# Altium PCB balanceCar.PcbDoc
Units mm, origin at the board's own origin, x right, y up, seen from the top; angles counter-clockwise.
Board outline 99 x 60 mm, 2 copper layers (Top Layer, Bottom Layer); 15 components, 26 nets, 121 pads, 10 vias.
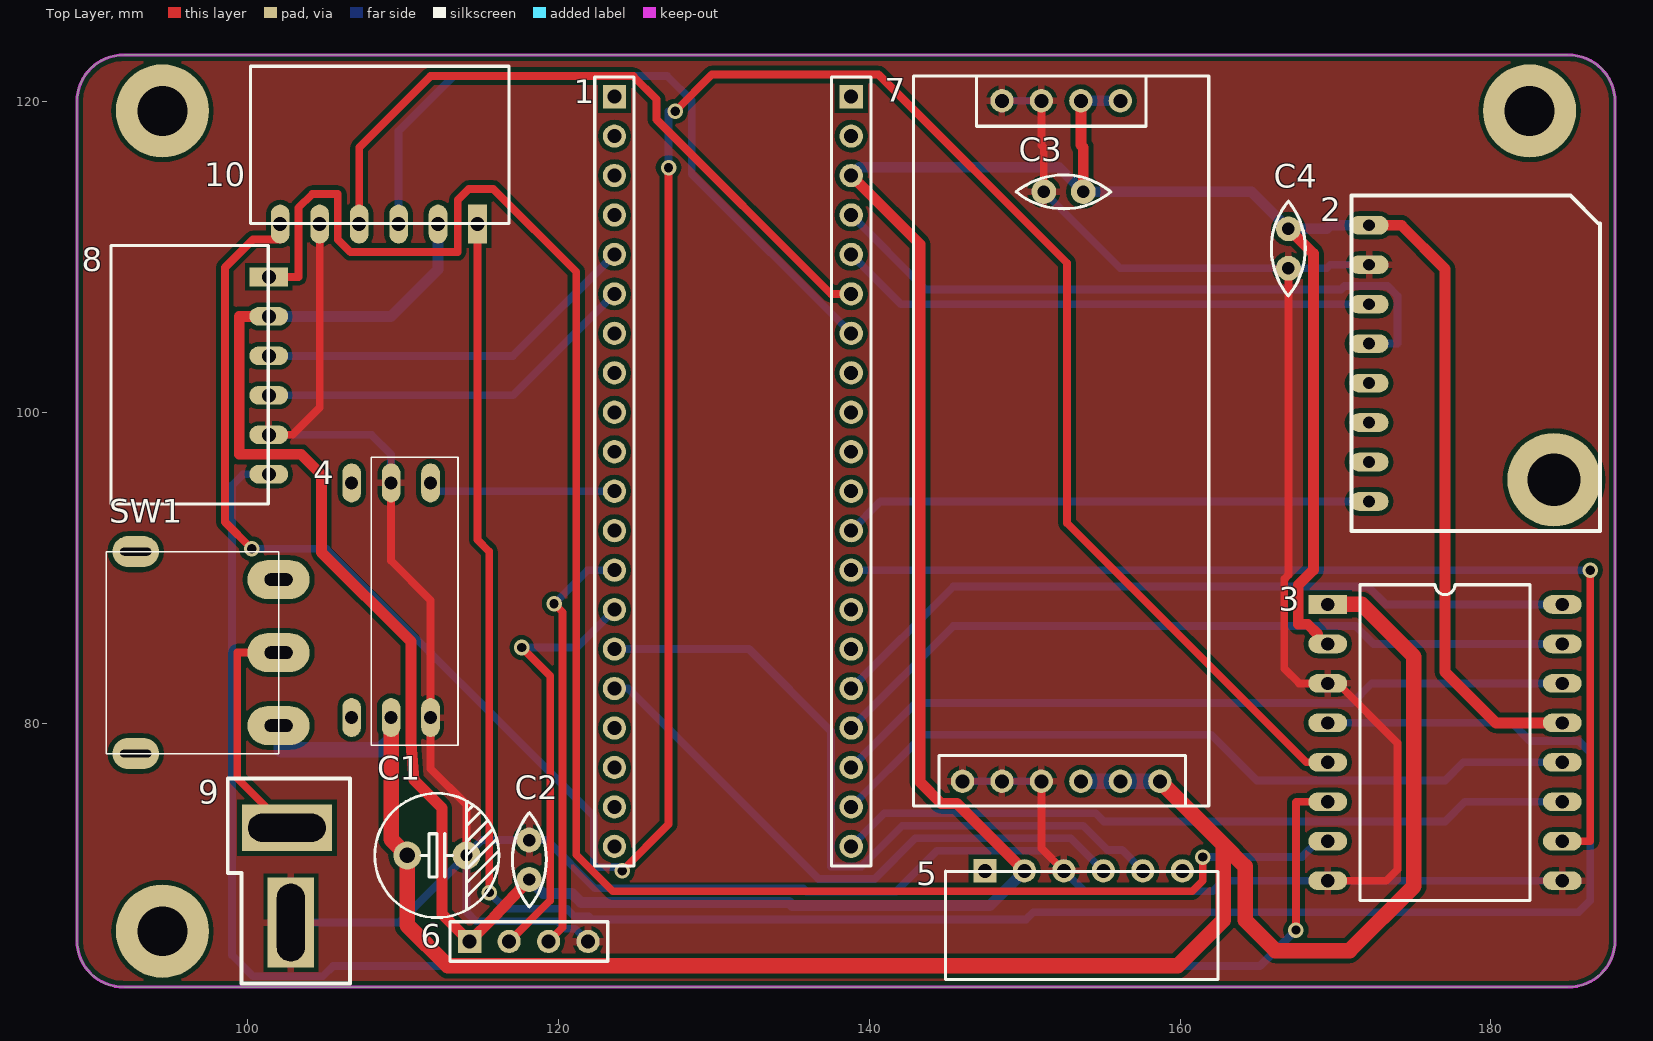
[diagram p0: Top Layer view]
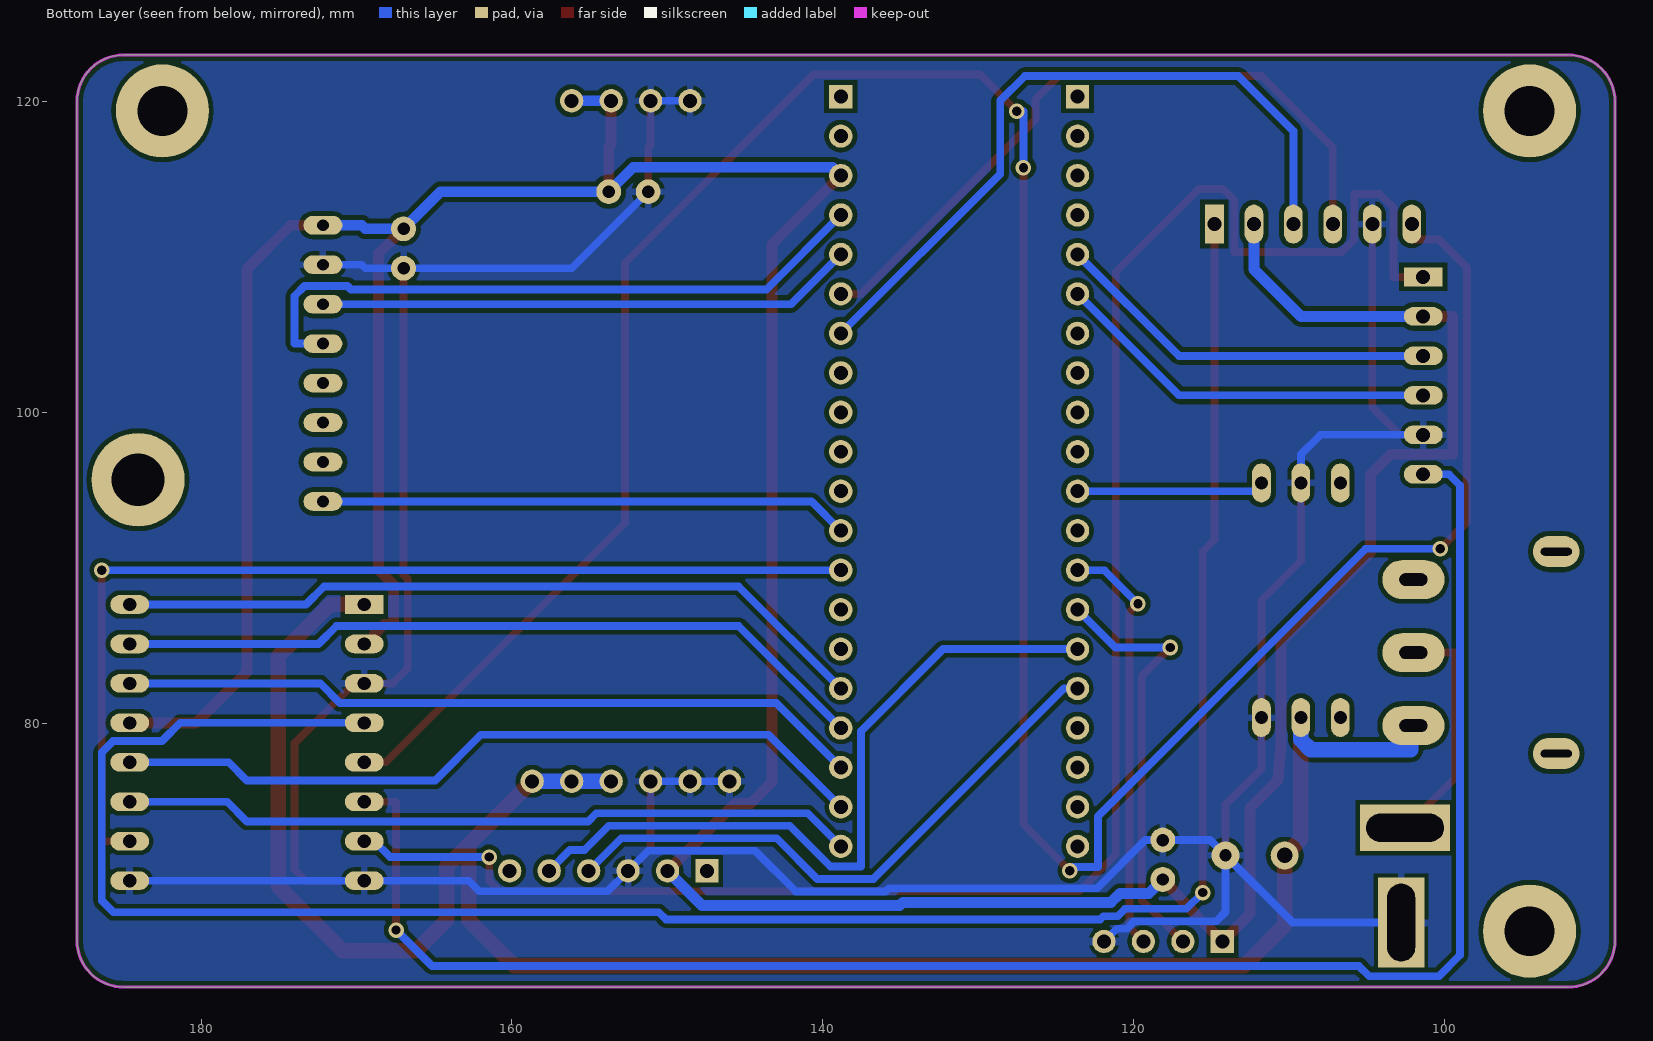
[diagram p1: Bottom Layer view, seen from below]

## Layer stack, top to bottom
Top Solder: solder mask 0.0102, Solder Resist, Dk 3.5
Top Layer: signal copper 0.0356
Dielectric1: dielectric 0.32, FR-4, Dk 4.8
Bottom Layer: signal copper 0.0356
Bottom Solder: solder mask 0.0102, Solder Resist, Dk 3.5

## Board outline
89,66 ccw(c92,66) 92,63 185,63 ccw(c185,66) 188,66 188,120 ccw(c185,120) 185,123 92,123 ccw(c92,120) 89,120

## Design rules (kind name [scope] priority, off if disabled: settings)
Clearance [All] p1: gap=0.3
PlaneConnect [All] p1: planeconnectstyle=Relief reliefexpansion=0.508 reliefentries=4 reliefconductorwidth=0.454 reliefairgap=0.254
PolygonConnect [All] p1: connectstyle=Relief reliefconductorwidth=0.454 reliefentries=4 polygonreliefangle="90 Angle" airgapwidth=0.254
RoutingVias [All] p1: holewidth=0.6 width=1 viastyle="Through Hole" minholewidth=0.711 minwidth=1.27 maxholewidth=0.711 maxwidth=1.27
SolderMaskExpansion [All] p1: expansion=0.102
Width Width_2 [InNet('5V')] p1: maxlimit=0.7 minlimit=0.254 preferedwidth=0.7
Width Width_1 [InNet('12V')] p2: maxlimit=1 minlimit=0.254 preferedwidth=1
Width [All] p3: maxlimit=2.5 minlimit=0.5 preferedwidth=0.5
29 further rules are at their usual default settings.

## Components (designator, comment, footprint, x,y, rotation, side; value= is the part's Value field where it differs from the comment)
1 "stm32f103c8t6" STM32F103C8T6 132.334,97.714 r0 top
2 "mpu6050" 6050new 183.413,103.403 r270 top
3 "tb6612" TB6612DIP 169.507,87.63 r0 top
4 "测压模块" "DF - 3" 109.22,80.353 r90 top
5 "蓝牙" "HDR1X6 - XH弯" 147.447,70.485 r0 top
6 "超声波" HDR1X4 114.275,65.938 r0 top
7 "12t05" 稳压12T05 145.999,76.251 r90 top
8 "编码器1" 1*6弯排母 101.346,108.712 r270 top
9 "电池T型接口(公)" "T HEAD" 102.768,67.158 r90 top
10 "编码器2" 1*6弯排母 114.783,112.116 r180 top
C1 "220uF35V" CAP-820uF-6.3V 110.261,71.476 r0 top
C2 "Capacitor" Cap-CP 118.11,69.926 r90 top
C3 "Capacitor" Cap-CP 151.232,114.198 r0 top
C4 "Capacitor" Cap-CP 166.98,111.811 r270 top
SW1 "Single-Pole, Double-Throw Switch" SS12d11拨动电源开关 101.981,79.831 r90 top

## Footprints (in the part's own frame and the unit in brackets; to place one, negate y for a bottom-side part, rotate by r counter-clockwise, add the part's x,y. Pads: shape width x height; smd on the part's side, far side on the other; paste and mask are expansions set on the pad)
1*6弯排母 [mm] "Connector; Header; 4 Position"
  rect 1.2x2.5 hole 0.9: 1(0,0)
  oval 1.2x2.5 hole 0.9: 2(2.54,0) 3(5.08,0) 4(7.62,0) 5(10.16,0) 6(12.7,0)
  silkscreen extent -2.03,-10.16 14.61,-0.03
6050new [mm]
  round 6 hole 3.4: 0(7.747,0.654)
  oval 1.2x2.5 hole 0.762: 1(-8.636,-11.246) 2(-6.096,-11.246) 3(-3.556,-11.246) 4(-1.016,-11.246)
  oval 1.2x2.5 hole 0.76: 5(1.524,-11.246) 6(4.064,-11.246) 7(6.604,-11.246) 8(9.144,-11.246)
  silkscreen extent -10.54,-12.39 11.05,3.61
CAP-820uF-6.3V [mm] "Φ8*11.5直插式电解电容"
  round 1.8 hole 1: 1(0,0)
  round 1.8 hole 0.8: 2(3.81,0)
  silkscreen extent -2.09,-4 5.9,4
Cap-CP [mm] "直插型小瓷片电容"
  round 1.6 hole 0.8: 1(0,0) 2(2.54,0)
  silkscreen extent -1.78,-1.1 4.32,1.08
"DF - 3" [mm]
  oval 2.5x1.2 hole 0.85: 0(0,2.54) 0(15.1,2.54) 1(0,0) 2(0,-2.54) 3(15.1,-2.54) 4(15.1,0)
  silkscreen extent -1.78,-4.31 16.76,1.27
HDR1X4 [mm] "Connector; Header; 4 Position"
  rect 1.5x1.5 hole 0.9: 1(0,0)
  round 1.5 hole 0.9: 2(2.54,0) 3(5.08,0) 4(7.62,0)
  silkscreen extent -1.27,-1.27 8.89,1.27
"HDR1X6 - XH弯" [mm] "Connector; Header; 4 Position"
  rect 1.5x1.5 hole 0.9: 1(0,0)
  round 1.5 hole 0.9: 2(2.54,0) 3(5.08,0) 4(7.62,0) 5(10.16,0) 6(12.7,0)
  silkscreen extent -2.54,-7 14.99,0
SS12d11拨动电源开关 [mm]
  oval 2x3 hole 0.5 slot 2 at 90 deg: 0(-1.8,9.2) 0(11.2,9.2)
  oval 2.5x4 hole 0.8 slot 1.8 at 90 deg: 1(0,0) 2(4.7,0) 3(9.4,0)
  silkscreen extent -1.8,0 11.2,11.1
STM32F103C8T6 [mm]
  rect 1.5x1.5 hole 0.9: 1(-8.738,22.606) 40(6.502,22.606)
  round 1.5 hole 0.9: 2(-8.738,20.066) 3(-8.738,17.526) 4(-8.738,14.986) 5(-8.738,12.446) 6(-8.738,9.906) 7(-8.738,7.366) 8(-8.738,4.826) 9(-8.738,2.286) 10(-8.738,-0.254) 11(-8.738,-2.794) 12(-8.738,-5.334) 13(-8.738,-7.874) 14(-8.738,-10.414) 15(-8.738,-12.954) 16(-8.738,-15.494) 17(-8.738,-18.034) 18(-8.738,-20.574) 19(-8.738,-23.114) 20(-8.738,-25.654) 21(6.502,-25.654) 22(6.502,-23.114) 23(6.502,-20.574) 24(6.502,-18.034) 25(6.502,-15.494) 26(6.502,-12.954) 27(6.502,-10.414) 28(6.502,-7.874) 29(6.502,-5.334) 30(6.502,-2.794) 31(6.502,-0.254) 32(6.502,2.286) 33(6.502,4.826) 34(6.502,7.366) 35(6.502,9.906) 36(6.502,12.446) 37(6.502,14.986) 38(6.502,17.526) 39(6.502,20.066)
  silkscreen extent -10.01,-26.92 7.77,23.88
"T HEAD" [mm]
  rect 5.8x3 hole 1.8 slot 5 at 0 deg: 1(0,0)
  rect 3x5.8 hole 1.8 slot 5 at 90 deg: 2(6.096,0.254)
  silkscreen extent -3.94,-3.81 9.27,4.06
TB6612DIP [mm]
  rect 2.5x1.2 hole 0.85: 1(0,0)
  oval 2.5x1.2 hole 0.85: 2(0,-2.54) 3(0,-5.08) 4(0,-7.62) 5(0,-10.16) 6(0,-12.7) 7(0,-15.24) 8(0,-17.78) 9(15.1,-17.78) 10(15.1,-15.24) 11(15.1,-12.7) 12(15.1,-10.16) 13(15.1,-7.62) 14(15.1,-5.08) 15(15.1,-2.54) 16(15.1,0)
  silkscreen extent 2.08,-19.05 13.02,1.27
稳压12T05 [mm]
  round 1.5 hole 0.9: 1(0,0) 2(0,-2.54) 3(0,-5.08) 4(0,-7.62) 5(0,-10.16) 6(0,-12.7) 7(43.8,-10.16) 8(43.8,-7.62) 9(43.8,-5.08) 10(43.8,-2.54)
  silkscreen extent -1.6,-15.85 45.4,3.15

## Part data
C1: library part "Cap Pol1", "Polarized Capacitor (Radial)"
SW1: library part "SPDT SW"

## Free pads (board coordinates)
  round 6 hole 3.2: 0(94.5,119.4) 1(94.5,66.6) 3(182.5,119.4)

## Via types
v1: diameter 1, hole 0.6, Top Layer to Bottom Layer, 10 vias

## Nets (pads, with @x,y where several pads share a name; then routed paths per layer and width w, separated by ;. In a path a pad name is that pad's centre, name@x,y a point inside that pad or via, vN(x,y) a via of type N, cw(c..) or ccw(c..) an arc to the next point about the centre after c; other vN are vias at no path point)
5V: 1.38 2.1 3.2 3.13 5.2 6.1 7.7 7.8 8.2 10.2 C2.1 C3.2 C4.1 | length 268.6
  Top Layer w0.7: 8.2 99.446,106.172 99.446,97.302 103.429,97.302 104.75,95.981 104.75,90.983 110.49,85.242 110.49,78.689 110.693,76.327 112.497,74.524 112.497,67.716 6.1 115.827,67.49 C2.1 ; 1.38 143.256,110.82 143.256,76.2 144.628,74.828 145.644,74.828 5.2 ; 7.8 153.619,117.196 153.772,117.043 C3.2 ; C4.1 168.58,110.211 168.58,89.853 167.607,88.88 167.607,86.36 168.224,86.36 168.859,85.725 168.859,85.09 3.2 ; 2.1 174.244,112.039 177.063,109.22 177.063,83.287 180.34,80.01 3.13
  Bottom Layer w0.7: 8.2 109.22,106.172 112.243,109.195 10.2 ; C2.1 119.011,69.025 120.871,69.025 121.437,68.459 134.837,68.459 135.036,68.26 147.762,68.26 5.2 ; 1.38 139.37,115.773 152.197,115.773 C3.2 164.592,114.198 C4.1 169.443,111.811 169.672,112.039 2.1 ; 7.8 7.7
12V: 3.1 4.1 7.4 7.5 7.6 C1.1 SW1.1 | length 135.4
  Top Layer w1: 4.1 109.22,72.517 C1.1 110.261,66.98 112.878,64.364 159.842,64.364 162.789,67.31 162.789,72.161 ; 7.6 162.789,72.161 ; 3.1 171.704,87.63 175.057,84.277 175.057,69.494 170.917,65.354 166.141,65.354 164.186,67.31 164.186,70.764 162.789,72.161
  Bottom Layer w1: SW1.1 102.159,79.831 102.159,78.283 108.585,78.283 109.22,78.918 4.1 ; 7.4 7.5 7.6
AO1: 3.4 10.1 | length 142.6
  Top Layer w0.5: 10.1 114.783,91.796 115.545,91.034 v1(115.545,69.086)
  Bottom Layer w0.5: v1(115.545,69.086) 116.592,68.038 120.537,68.038 121.016,67.559 121.934,67.559 122.133,67.36 150.089,67.36 150.547,67.818 185.649,67.818 186.411,68.58 186.411,78.105 185.674,78.842 182.524,78.842 181.356,80.01 3.4
AO2: 3.5 10.6 | length 180.1
  Top Layer w0.5: v1(100.254,91.211) 98.527,92.939 98.527,109.322 100.33,111.125 102.083,111.125 10.6 ; v1(124.092,70.498) 127.076,73.482 v1(127.076,115.748) ; v1(127.508,119.38) 129.87,121.742 140.589,121.742 152.73,109.601 152.73,92.862 168.123,77.47 3.5
  Bottom Layer w0.5: v1(100.254,91.211) 105.054,91.211 122.276,73.99 122.276,70.739 123.85,70.739 v1(124.092,70.498) ; v1(127.076,115.748) 127.076,119.38 v1(127.508,119.38)
BO1: 3.7 8.1 | length 122.8
  Top Layer w0.5: 8.1 103.251,108.712 103.251,113.157 104.14,114.046 105.791,114.046 105.791,111.125 106.604,110.312 113.513,110.312 113.513,113.665 114.224,114.376 115.799,114.376 121.133,109.042 121.133,71.52 123.489,69.164 160.782,69.164 161.468,69.85 v1(161.468,71.374)
  Bottom Layer w0.5: v1(161.468,71.374) 167.843,71.374 168.859,72.39 3.7
BO2: 3.6 8.6 | length 113.5
  Top Layer w0.5: v1(167.462,66.675) 167.462,74.905 167.488,74.93 3.6
  Bottom Layer w0.5: 8.6 99.695,96.012 98.984,95.301 98.984,65.049 100.33,63.703 104.826,63.703 105.486,64.364 165.151,64.364 v1(167.462,66.675)
GND: 2.2 3.3 3.8 3.9 4.2 4.4 5.3 6.4 7.1 7.2 7.3 7.9 7.10 8.5 9.1 10.5 C1.2 C2.2 C3.1 C4.2 | length 243.2
  Top Layer w0.5: 8.5 102.87,98.552 104.623,100.305 10.5 ; 4.4 109.22,90.449 111.76,87.909 4.2 111.76,77.064 114.071,74.752 C1.2 ; 7.3 151.079,71.933 5.3 ; 7.9 151.079,117.196 151.232,117.043 C3.1 ; C4.2 166.98,89.535 166.707,89.263 166.707,83.508 167.665,82.55 3.3 170.155,82.55 173.992,78.713 173.992,70.563 173.279,69.85 3.8
  Bottom Layer w0.5: 8.5 107.95,98.552 109.22,97.282 4.4 ; 9.1 109.753,67.158 C1.2 ; 6.4 121.074,66.759 120.439,66.759 119.959,67.238 114.672,67.238 114.071,67.839 C1.2 ; 7.1 7.2 7.3 ; 7.10 7.9 ; C3.1 156.159,109.271 C4.2 169.443,109.271 169.672,109.499 2.2 ; 3.9 3.8 162.789,69.85 162.103,69.164 153.848,69.164 5.3 151.227,71.785 144.362,71.785 141.736,69.16 135.936,69.16 135.737,69.359 122.337,69.359 119.23,72.466 C2.2 115.062,72.466 C1.2
Net9_2: 9.2 SW1.2 | length 15.3
  Top Layer w0.5: SW1.2 99.314,84.531 99.314,76.454 9.2
PA0: 1.5 8.3 | length 25
  Bottom Layer w0.5: 8.3 117.069,103.632 1.5
PA1: 1.6 8.4 | length 25
  Bottom Layer w0.5: 8.4 117.069,101.092 1.6
PA6: 1.11 4.3 | length 12.4
  Bottom Layer w0.5: 4.3 111.76,94.92 1.11
PA8: 1.25 3.16 | length 49
  Bottom Layer w0.5: 1.25 145.397,88.78 172.107,88.78 173.257,87.63 3.16
PA11: 1.28 3.10 | length 66.8
  Top Layer w0.5: 3.10 186.411,72.39 v1(186.411,89.84)
  Bottom Layer w0.5: 1.28 v1(186.411,89.84)
PA12: 1.29 2.8 | length 34.1
  Bottom Layer w0.5: 1.29 140.716,94.259 2.8
PB0: 1.13 6.3 | length 27.1
  Top Layer w0.5: 6.3 120.26,66.844 120.26,87.131 v1(119.71,87.681)
  Bottom Layer w0.5: v1(119.71,87.681) 121.869,89.84 1.13
PB1: 1.14 6.2 | length 27.8
  Top Layer w0.5: 6.2 119.46,68.584 119.46,83.029 v1(117.627,84.861)
  Bottom Layer w0.5: v1(117.627,84.861) 121.158,84.861 1.14
PB6: 1.34 10.3 | length 46.2
  Bottom Layer w0.5: 10.3 109.703,118.11 113.233,121.641 127,121.641 128.575,120.066 128.575,115.341 1.34
PB7: 1.35 10.4 | length 45.1
  Top Layer w0.5: 10.4 107.163,117.043 111.76,121.641 124.816,121.641 126.302,120.154 126.302,118.847 137.529,107.62 1.35
PB8: 1.36 2.3 | length 34.7
  Bottom Layer w0.5: 1.36 142.037,106.959 2.3
PB9: 1.37 2.4 | length 42.4
  Bottom Layer w0.5: 1.37 143.637,107.899 170.358,107.899 170.586,108.128 173.355,108.128 173.99,107.493 173.99,104.419 2.4
PB10: 1.15 5.5 | length 47.2
  Bottom Layer w0.5: 1.15 132.258,84.76 137.536,79.481 137.536,70.76 139.492,70.76 142.117,73.385 153.772,73.385 155.325,71.831 156.261,71.831 5.5
PB11: 1.16 5.4 | length 38.5
  Bottom Layer w0.5: 1.16 124.476,82.22 136.736,69.96 140.343,69.96 142.968,72.585 152.967,72.585 5.4
PB12: 1.21 3.11 | length 47.4
  Bottom Layer w0.5: 1.21 140.962,74.185 154.567,74.185 155.092,73.66 177.063,73.66 178.333,74.93 3.11
PB13: 1.22 3.12 | length 49.4
  Bottom Layer w0.5: 1.22 143.485,79.248 162.001,79.248 164.948,76.302 177.063,76.302 178.232,77.47 3.12
PB14: 1.23 3.14 | length 48
  Bottom Layer w0.5: 1.23 142.977,81.28 171.069,81.28 172.339,82.55 3.14
PB15: 1.24 3.15 | length 49
  Bottom Layer w0.5: 1.24 145.397,86.24 171.307,86.24 172.457,85.09 3.15
pads on no net: 1.1 1.2 1.3 1.4 1.7 1.8 1.9 1.10 1.12 1.17 1.18 1.19 1.20 1.26 1.27 1.30 1.31 1.32 1.33 1.39 1.40 2.0 2.5 2.6 2.7 4.0 5.1 5.6 SW1.0 SW1.3

## Polygon pours and split planes (outlines as drawn)
GND on Top Layer "Top Layer-No Net" (solid, remove dead copper, pour order 6): 89,66 ccw(c92,66) 92,63 185,63 ccw(c185,66) 188,66 188,120 ccw(c185,120) 185,123 92,123 ccw(c92,120) 89,120
GND on Bottom Layer "Top Layer-No Net1" (solid, remove dead copper, pour order 7): 89,66 ccw(c92,66) 92,63 185,63 ccw(c185,66) 188,66 188,120 ccw(c185,120) 185,123 92,123 ccw(c92,120) 89,120

## Keep-outs
Keep-Out Layer:
  the board outline again, w0.2